# Altium PCB V1.1.PcbDoc
Units mil, origin at the board's own origin, x right, y up, seen from the top; angles counter-clockwise.
Board outline 1338.58 x 1820 mil, 4 copper layers (Top Layer, GND, PWR, Bottom Layer), stack 61.583 mil thick; 116 components, 73 nets, 458 pads, 96 vias.
Unrouted connection lines stored in the file: 87.
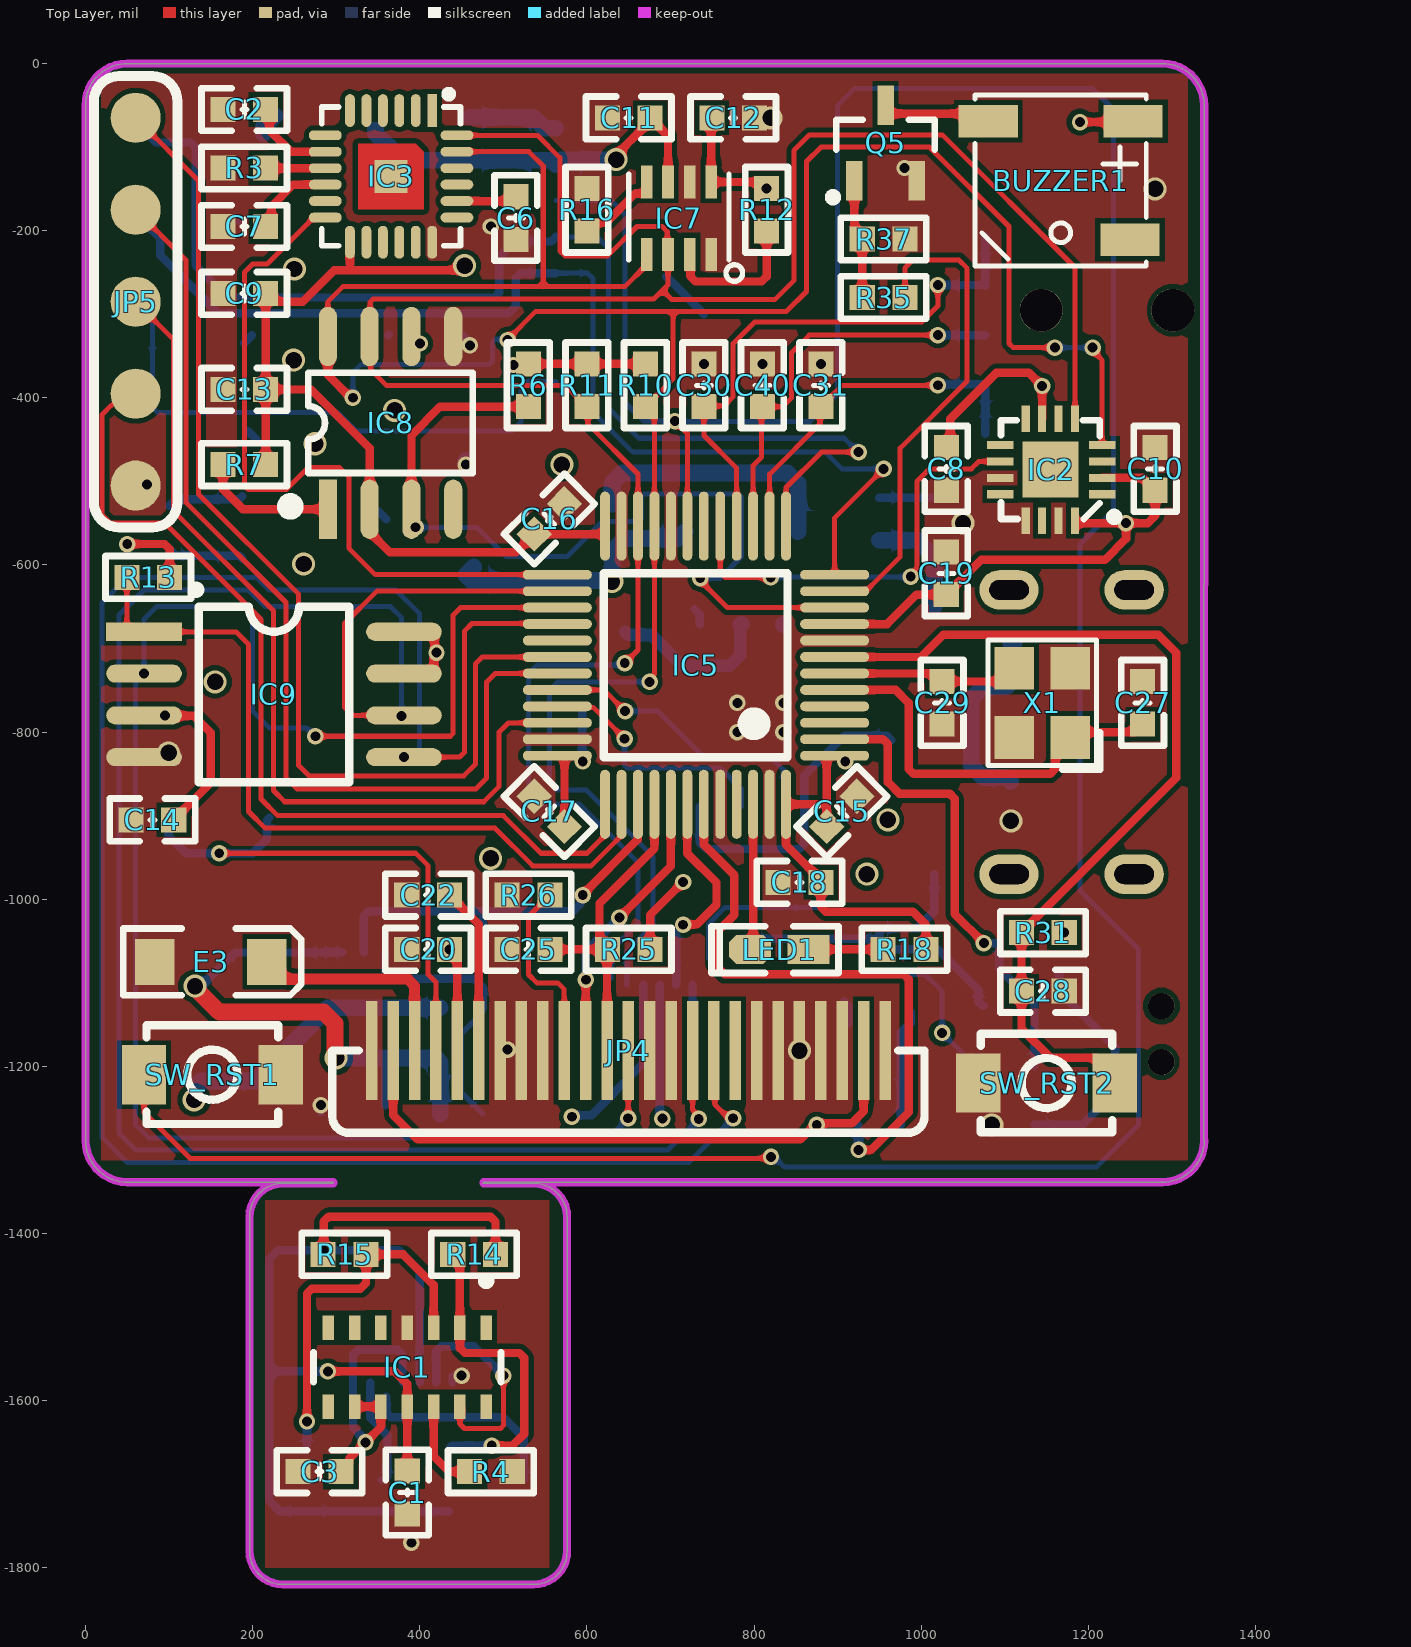
[diagram p0: Top Layer view]
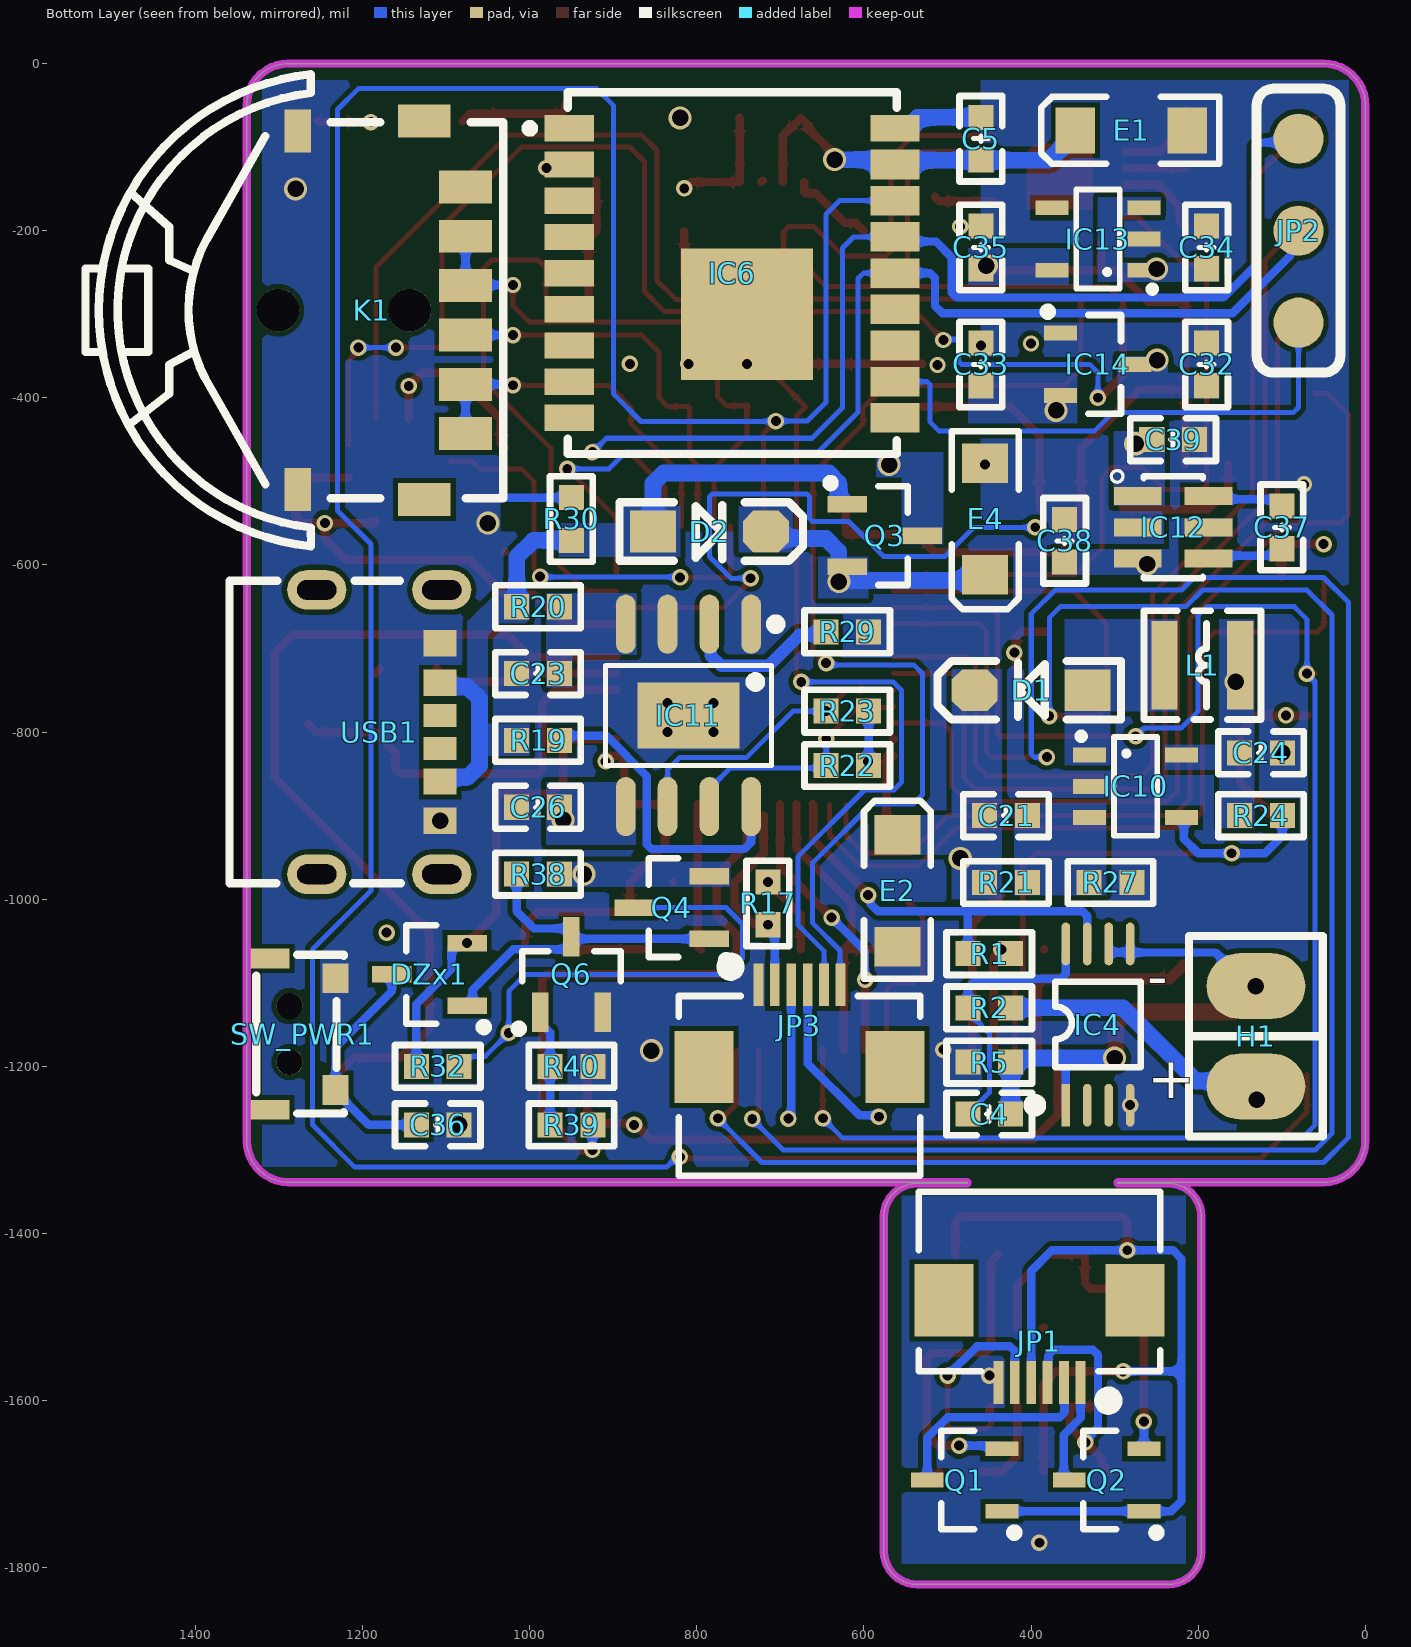
[diagram p1: Bottom Layer view, seen from below]
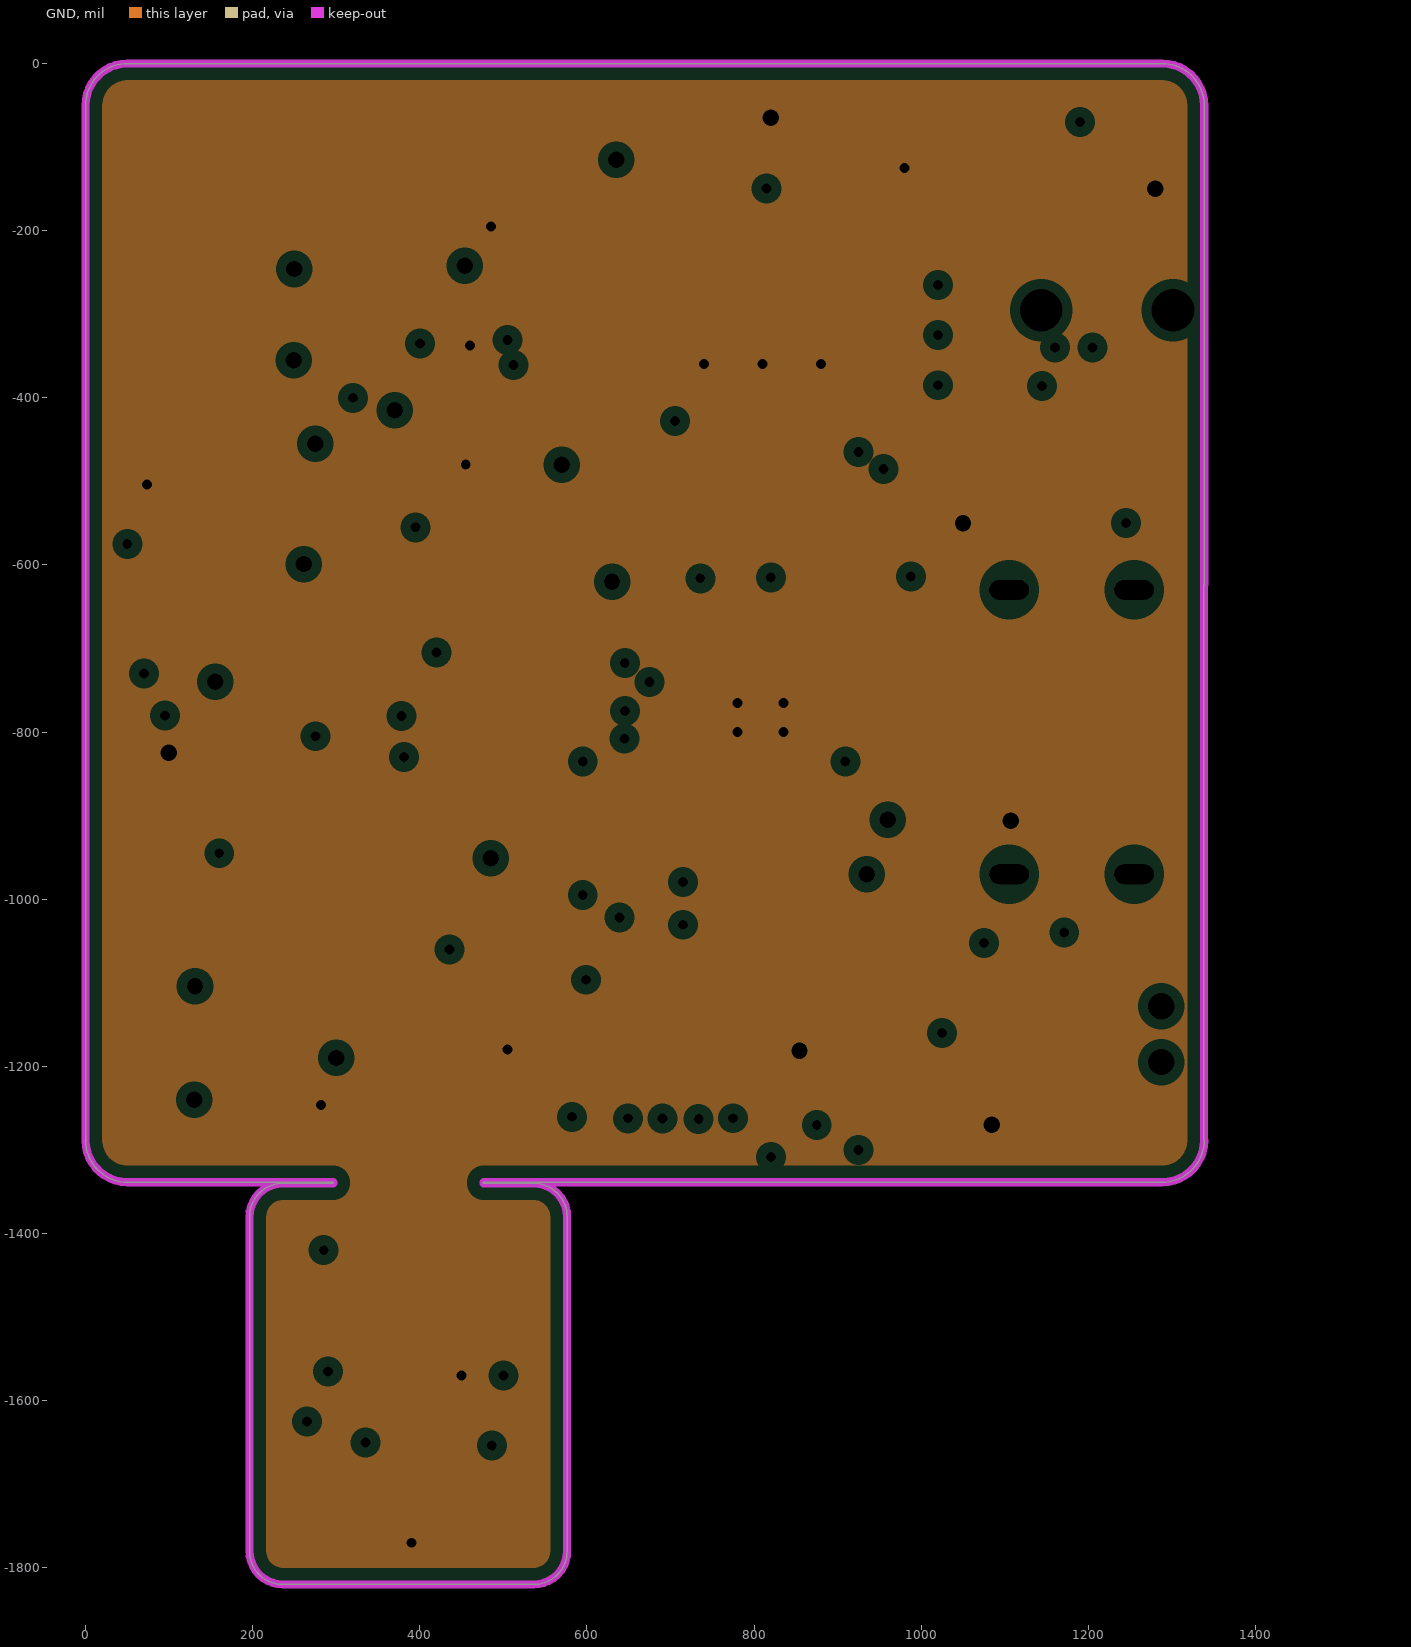
[diagram p2: GND, clearances drawn from the general rule]
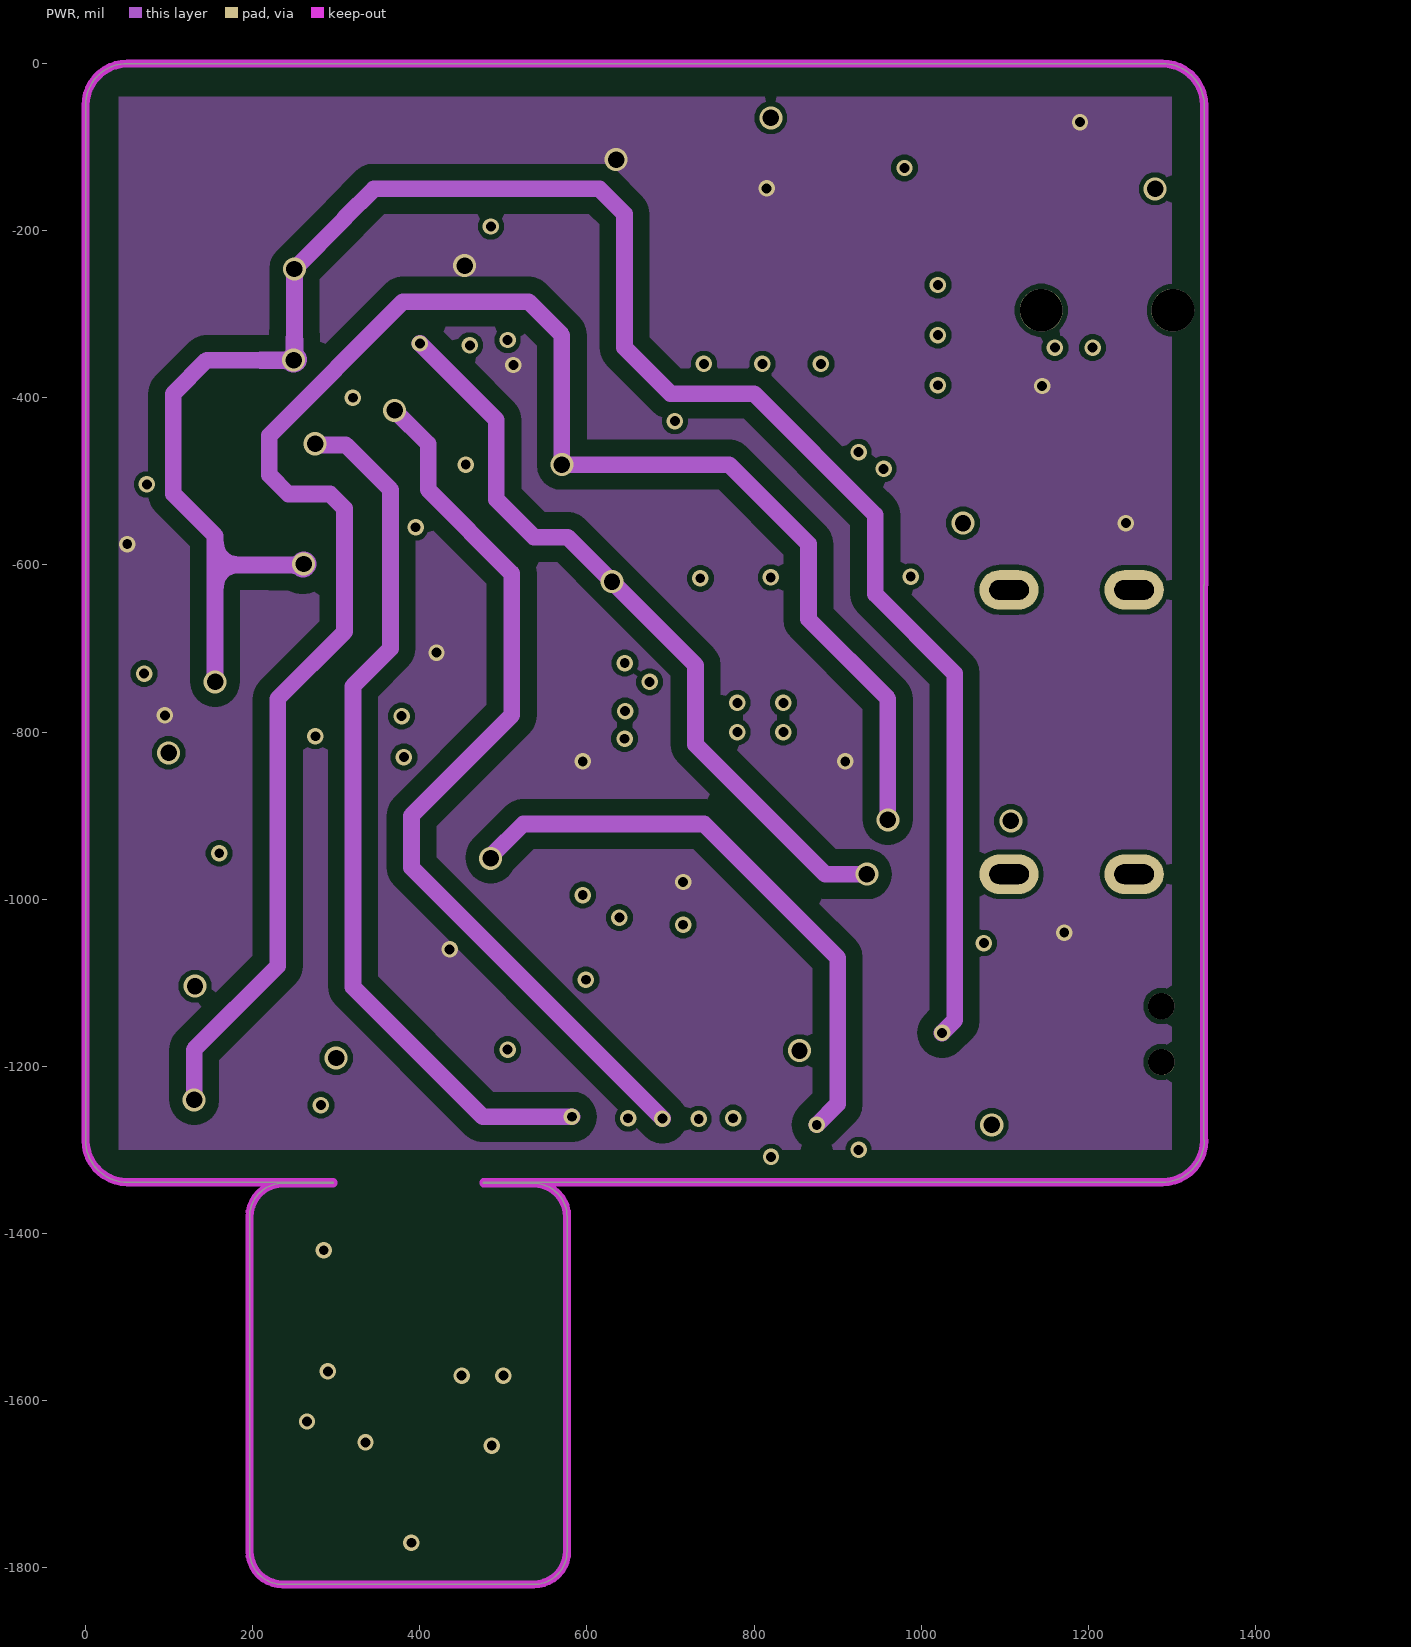
[diagram p3: PWR]
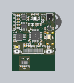
[diagram p4: 3D render of the assembled board from above, using the file's embedded part models]
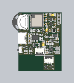
[diagram p5: 3D render of the assembled board from below, using the file's embedded part models]

## Layer stack, top to bottom
Top Solder: solder mask 0.3941, Solder Resist, Dk 3.3
Top Layer: signal copper 1.378
Dielectric 1: prepreg 3.9134, PP, Dk 4.5
GND: plane copper 0.5984, net GND
Dielectric 2: core 49.8031, core, Dk 4.5
PWR: signal copper 0.5984
Dielectric 3: prepreg 3.9134, PP, Dk 4.5
Bottom Layer: signal copper 1.378
Bottom Solder: solder mask 0.3941, Solder Resist, Dk 3.3

## Board outline
236.22,-1820 cw(c236.22,-1780) 196.22,-1780 196.22,-1380 cw(c236.22,-1380) 236.22,-1340 296.22,-1340 296.22,-1338.58 50,-1338.58 cw(c50,-1288.58) 0,-1288.58 0,-50 cw(c50,-50) 50,0 1288.58,0 cw(c1288.58,-50) 1338.58,-50 1338.58,-623.79 1338.35,-624 1338.35,-978.04 1338.39,-978.03 1338.39,-1288.39 1338.58,-1288.58 cw(c1288.58,-1288.58) 1288.58,-1338.58 476.22,-1338.58 476.22,-1340 536.22,-1340 cw(c536.22,-1380) 576.22,-1380 576.22,-1780 cw(c536.22,-1780) 536.22,-1820

## Design rules (kind name [scope] priority, off if disabled: settings)
Clearance 铺铜 [OnLayer('PWR') AND  InPoly vs OnLayer('PWR')] p1: gap=20 ignorepadtopadclearanceinfootprint=TRUE
Clearance [Not OnLayer('Keep-Out Layer') AND Not (InComponent('USB1') AND IsVia) vs Not OnLayer('Keep-Out Layer') AND Not (InComponent('USB1') AND IsVia)] p2: gap=6 ignorepadtopadclearanceinfootprint=TRUE
DiffPairsRouting DiffPair_USBC_DiffPairsRouting [InDifferentialPair ('USBC')] p1: maxlimit=7 minlimit=5 mostfreqgap=5 toplayer_minwidth=5 toplayer_maxwidth=7 toplayer_prefwidth=6 midlayer1_minwidth=5 midlayer1_maxwidth=7 midlayer1_prefwidth=6 bottomlayer_minwidth=5 bottomlayer_maxwidth=7 bottomlayer_prefwidth=6 maxuncoupledlength=500
HoleSize [All] p1: absolutevalues=TRUE maxlimit=248.03 minlimit=7.87 maxpercent=80.000 minpercent=20.000
MatchedLengths DiffPair_USBC_MatchedLengths [InDifferentialPair ('USBC')] p1: tolerance=5 checknetsindiffpair=FALSE checkdiffpairvsdiffpair=TRUE checkxsignals=TRUE checkothers=TRUE
MinimumSolderMaskSliver [NOT InComponent('IC8') AND NOT InComponent('K1') AND NOT InComponent('IC2') AND InDifferentialPairClass('All Differential Pairs') vs NOT InComponent('IC8') AND NOT InComponent('K1') AND NOT InComponent('IC2') AND InDifferentialPairClass('All Differential Pairs')] p1: minsoldermaskwidth=3.15
PlaneClearance [All] p1: clearance=12
PlaneConnect [All] p1: planeconnectstyle=Direct reliefexpansion=20 reliefentries=4 reliefconductorwidth=10 reliefairgap=10
PolygonConnect [All] p1: connectstyle=Direct reliefconductorwidth=10 reliefentries=4 polygonreliefangle="90 Angle" airgapwidth=10
RoutingVias [All] p1: holewidth=16 width=28 viastyle="Through Hole" minholewidth=12 minwidth=25 maxholewidth=24 maxwidth=40
SilkToSilkClearance [All] p1: silktosilkclearance=0
SilkToSolderMaskClearance [IsPad] p1: minsilkscreentomaskgap=0 clearancetoexposedcopper=TRUE
SolderMaskExpansion [IsVia] p1: expansion=4 istentingtop=TRUE
Width [All] p1: maxlimit=100 minlimit=3.5 preferedwidth=20
23 further rules are at their usual default settings.

## Components (designator, comment, footprint, x,y, rotation, side; value= is the part's Value field where it differs from the comment)
BUZZER1 "Beep-5020" 5020BUZZER 1165,-140 r90 top
C1 "4.7μF" "C 0603_L" 385,-1710 r270 top
C2 "10nF" "C 0603_L" 190,-55 r180 top
C3 "10μF" "C 0603_L" 280,-1685 r0 top
C4 "0.1μF" "C 0603_L" 450.11,-1257.03 r0 bottom
C5 "1μF" "C 0603_L" 460,-90 r90 bottom
C6 "2.2nF" "C 0603_L" 515,-185 r90 top
C7 "0.1μF" "C 0603_L" 190,-195 r180 top
C8 "0.1μF" "C 0603_L" 1030,-485 r90 top
C9 "0.1μF" "C 0603_L" 190,-275 r0 top
C10 "0.1μF" "C 0603_L" 1280,-485 r270 top
C11 "0.1μF" "C 0603_L" 650,-65 r180 top
C12 "0.1μF" "C 0603_L" 775,-65 r0 top
C13 "0.1μF" "C 0603_L" 190,-390 r180 top
C14 "0.1μF" "C 0603_L" 80,-905 r0 top
C15 "4.7μF" "C 0603_L" 905,-895 r225 top
C16 "0.1μF" "C 0603_L" 555,-545 r225 top
C17 "0.1μF" "C 0603_L" 555,-895 r315 top
C18 "0.1μF" "C 0603_L" 854.34,-979.82 r0 top
C19 "0.1μF" "C 0603_L" 1030,-610 r270 top
C20 "1μF" "C 0603_L" 410,-1060 r0 top
C21 "4.7pF" "C 0603_L" 430,-900 r0 bottom
C22 "1μF" "C 0603_L" 410,-995 r0 top
C23 "10μF" "C 0603_L" 990,-730 r180 bottom
C24 "4.7μF" "C 0603_L" 125,-825 r0 bottom
C25 "0.1μF" "C 0603_L" 530,-1060 r0 top
C26 "10μF" "C 0603_L" 990,-890 r0 bottom
C27 "22pF" "C 0603_L" 1265,-765 r90 top
C28 "0.1μF" "C 0603_L" 1145.59,-1110 r180 top
C29 "22pF" "C 0603_L" 1025,-765 r270 top
C30 "0.1μF" "C 0603_L" 740,-385 r90 top
C31 "0.1μF" "C 0603_L" 880,-385 r90 top
C32 "1μF" "C 0603_L" 190,-360 r90 bottom
C33 "1μF" "C 0603_L" 460,-360 r90 bottom
C34 "1μF" "C 0603_L" 190,-220 r90 bottom
C35 "1μF" "C 0603_L" 460,-220 r90 bottom
C36 "0.1μF" "C 0603_L" 1110,-1270 r0 bottom
C37 "2.2μF" "C 0603_L" 100,-555 r270 bottom
C38 "10μF" "C 0603_L" 359.99,-571.11 r270 bottom
C39 "10μF" "C 0603_L" 230,-450 r180 bottom
C40 "0.1μF" "C 0603_L" 810,-385 r90 top
D1 "1N4148" SOD-123 400,-750 r0 bottom
D2 "B5819W" SOD-123 785,-560 r180 bottom
DZx1 "BAT54C" SOT23-3N 1120,-1090 r90 bottom
E1 "10uF/6.3V" "CD A(3216)" 280,-80 r180 bottom
E2 "4.7uF/35V" "CD A(3216)" 560,-990 r270 bottom
E3 "4.7uF/35V" "CD A(3216)" 150,-1075 r180 top
E4 "100uF/6.3V" "CD A(3216)" 455,-545 r90 bottom
H1 "PAD2" CHARGE_PAD 131,-1154 r180 top
IC1 "MAX30102EFD+" FP-F143A5-1-MFG 385,-1560 r270 top
IC2 "AK8975" QFN16 1154.53,-486.01 r180 top
IC3 "MPU6050" "QFN24 4x4_M" 365.63,-135.08 r180 top
IC4 "DS2740" MSOP8_L 320,-1150 r180 bottom
IC5 "STM32F103CBT6" "LQFP48 7X7_M" 730,-720 r90 top
IC6 "ESP01F" ESP-01F 757.72,-250.79 r180 bottom
IC7 "BME280" BME280 710,-185 r270 top
IC8 "DS3231-8PIN" SOP8_N 365,-430 r90 top
IC9 "W25Q64" SOP8W_N 225.51,-755 r0 top
IC10 "TPS61040DBV" SOT23-5L 275,-865 r270 bottom
IC11 "PW4056H" SOP-8_L4.9-W3.9-P1.27-LS6.0-BL-EP3.1 810,-780 r0 bottom
IC12 "PW5410A" SOT23-6 230,-555 r90 bottom
IC13 "RT9013" SOT23-5L 320,-210 r90 bottom
IC14 "PW6566" SOT23-3L 320,-360 r270 bottom
JP1 "FPC1.0-6P" "FPC0.5 2H-WS-6P" 390,-1480 r0 bottom locked
JP2 "HDR-1X3" TEST_POINT_3 80,-200 r270 top
JP3 "FPC1.0-6P" "FPC0.5 2H-WS-6P" 677.17,-1200.79 r180 bottom locked
JP4 "25pin焊接式FPC" 25pin焊接式FPC 649.61,-1181.1 r0 top locked
JP5 "HDR-1X5" TEST_POINT_5 60,-285 r90 top
K1 "拨轮开关" 拨轮开关 1188.98,-295.28 r0 bottom locked
L1 "6.8uH" NR3015 195,-720 r0 bottom
LED1 "绿色" "LED 0603G" 830,-1060 r180 top
Q1 "2SK3018" SOT23-3L 480,-1695 r90 bottom
Q2 "2SK3018" SOT23-3L 310,-1695 r90 bottom
Q3 "AO3401" SOT23-3N 575,-565 r270 bottom
Q4 "AO3401" SOT23-3N 830,-1010 r90 bottom
Q5 "SS8050" SOT23-3N 957.4,-95 r0 top
Q6 "SS8050" SOT23-3N 950,-1090 r180 bottom
R1 "4.7K" "R 0603_L" 450,-1065 r180 bottom
R2 "150" "R 0603_L" 450,-1130 r180 bottom
R3 "10K" "R 0603_L" 190,-125 r180 top
R4 "0" "R 0603_L" 485,-1685 r180 top
R5 "10mΩ" "R 0603_L" 450,-1195 r0 bottom
R6 "4.7K" "R 0603_L" 530,-385 r270 top
R7 "4.7K" "R 0603_L" 190,-480 r180 top
R10 "4.7K" "R 0603_L" 670,-385 r270 top
R11 "4.7K" "R 0603_L" 600,-385 r270 top
R12 "10K" "R 0603_L" 815,-175 r90 top
R13 "4.7K" "R 0603_L" 75,-615 r0 top
R14 "4.7K" "R 0603_L" 465,-1425 r180 top
R15 "4.7K" "R 0603_L" 310,-1425 r0 top
R16 "10K" "R 0603_L" 600,-175 r270 top
R17 "4.7K" "R 0603_L" 715,-1005 r90 bottom
R18 "1K" "R 0603_L" 980,-1060 r0 top
R19 "100K" "R 0603_L" 990,-810 r0 bottom
R20 "2" "R 0603_L" 990,-650 r0 bottom
R21 "2.3M" "R 0603_L" 430,-980 r0 bottom
R22 "4.7K" "R 0603_L" 620,-840 r180 bottom
R23 "4.7K" "R 0603_L" 620,-775 r180 bottom
R24 "10K" "R 0603_L" 125,-900 r0 bottom
R25 "10K" "R 0603_L" 650,-1060 r180 top
R26 "1.2M" "R 0603_L" 530,-995 r0 top
R27 "205K" "R 0603_L" 305,-980 r0 bottom
R29 "2.8K" "R 0603_L" 620,-680 r0 bottom
R30 "1M" "R 0603_L" 950,-545 r90 bottom
R31 "10K" "R 0603_L" 1145.59,-1040 r0 top
R32 "22K" "R 0603_L" 1110,-1200 r0 bottom
R35 "2.2K" "R 0603_L" 955,-280 r180 top
R37 "240K" "R 0603_L" 955,-210 r180 top
R38 "240K" "R 0603_L" 990,-970 r0 bottom
R39 "2.2K" "R 0603_L" 950,-1270 r180 bottom
R40 "240K" "R 0603_L" 950,-1200 r0 bottom
SW_PWR1 "3" KEY-SMD_UK-B0264-SP25Y 1271.65,-1161.42 r90 bottom locked
SW_RST1 "3x4x2" SW-SMD_L4.0-W3.0-LS4.6 151.69,-1210 r0 top
SW_RST2 "3x4x2" SW-SMD_L4.0-W3.0-LS4.6 1150,-1220 r180 top
USB1 "918-418K2023S40006" USB-C-SMD_918-418K2023S40006 1180,-800 r270 bottom locked
X1 "8M" "OSC 3225-4P" 1145,-765 r90 top

## Footprints (in the part's own frame and the unit in brackets; to place one, negate y for a bottom-side part, rotate by r counter-clockwise, add the part's x,y. Pads: shape width x height; smd on the part's side, far side on the other; paste and mask are expansions set on the pad)
25pin焊接式FPC [mm]
  rect 0.35x3 smd: 1(-7.8,0) 2(-7.15,0) 3(-6.5,0) 4(-5.85,0) 5(-5.2,0) 6(-4.55,0) 7(-3.9,0) 8(-3.25,0) 9(-2.6,0) 10(-1.95,0) 11(-1.3,0) 12(-0.65,0) 13(0,0) 14(0.65,0) 15(1.3,0) 16(1.95,0) 17(2.6,0) 18(3.25,0) 19(3.9,0) 20(4.55,0) 21(5.2,0) 22(5.85,0) 23(6.5,0) 24(7.15,0) 25(7.8,0)
  silkscreen extent -9,-2.5 9,0
5020BUZZER [mm]
  rect 1x1.8 smd: 1(1.8,-2.25) 2(1.8,2.152) 3(-1.801,-2.151)
  silkscreen extent -2.6,-2.65 2.6,2.55, body extent -2.6,-2.7 2.6,2.5, height 2
BME280 [mm]
  rect 1x0.351 smd: 1(1.1,0.98) 2(1.1,0.33) 3(1.1,-0.33) 4(1.1,-0.98) 5(-1.1,-0.98) 6(-1.1,-0.33) 7(-1.1,0.33) 8(-1.1,0.98)
  silkscreen extent -1.33,-1.52 1.92,1.94, body extent -1.29,-1.27 1.21,1.23, height 0.93
"C 0603_L" [mil] "无极性贴片电容"
  rect 30x30 smd: 1(-25.59,0) 2(25.59,0)
  silkscreen extent -51,-26 51,26, body extent -31,-16 31,16, height 32
"CD A(3216)" [mm] "长3.2mm，宽1.6mm，厚1.6mm"
  rect 1.2x1.4 smd: 1(-1.7,0) 2(1.7,0)
  silkscreen extent -2.74,-1.02 2.67,1.02, body extent -1.6,-0.8 1.6,0.8, height 1.6
CHARGE_PAD [mm]
  oval 3x2 smd far side: +(0,1.778) -(0,-1.27)
ESP-01F [mm]
  rect 1.5x0.8 smd mask+0.051: 1(-4.95,4.4) 2(-4.95,3.3) 3(-4.95,2.2) 4(-4.95,1.1) 5(-4.95,0) 6(-4.95,-1.1) 7(-4.95,-2.2) 8(-4.95,-3.3) 9(-4.95,-4.4) 18(4.95,4.4)
  rect 1.5x0.9 smd mask+0.051: 10(4.95,-4.4) 11(4.95,-3.3) 12(4.95,-2.2) 13(4.95,-1.1) 14(4.95,0) 15(4.95,1.1) 16(4.95,2.2) 17(4.95,3.3)
  rect 4x4 smd mask+0.051: 19(0.45,-1.25)
  silkscreen extent -6.28,-5.5 5,5.5, body extent -5.11,-5.56 4.89,5.44, height 2.81
FP-F143A5-1-MFG [mm]
  rect 0.75x0.35 smd paste+0 mask+0: 1(-1.2,2.4) 2(-1.2,1.6) 3(-1.2,0.8) 4(-1.2,0) 5(-1.2,-0.8) 6(-1.2,-1.6) 7(-1.2,-2.4) 8(1.2,-2.4) 9(1.2,-1.6) 10(1.2,-0.8) 11(1.2,0) 12(1.2,0.8) 13(1.2,1.6) 14(1.2,2.4)
  silkscreen extent -2.75,-2.85 0.45,2.85, body extent -1.65,-2.8 1.65,2.8, height 1.65
"FPC0.5 2H-WS-6P" [mm] "长：7.2mm，宽：5.2mm，高：2mm"
  rect 1.8x2.2 smd: 0(-2.9,0) 0(2.9,0)
  rect 0.3x1.3 smd: 1(-1.25,2.497) 2(-0.75,2.497) 3(-0.25,2.497) 4(0.25,2.497) 5(0.75,2.497) 6(1.25,2.497)
  silkscreen extent -3.67,-3.3 3.68,3.23, body extent -3.6,-3.15 3.6,2.85, height 2
KEY-SMD_UK-B0264-SP25Y [mm]
  rect 0.9x0.8 smd mask+0.051: 1(-1.7,-1) 2(1.7,-1)
  rect 0.6x1.2 smd mask+0.051: 3(-2.3,1) 4(2.3,1)
  round 0.8 hole 0.8: ""(-0.85,0.4) ""(0.85,0.4)
  silkscreen extent -2.41,-1.25 2.41,1.42, body extent -2.3,-1.02 2.3,2.58, height 1.82
"LED 0603G" [mil] "绿色0603LED"
  rect 50x35 smd: 1(-35,0.26)
  oct 50x35 smd: 2(35,0.26)
  silkscreen extent -71,-28 81,28, body extent -31,-16 32,16, height 18
"LQFP48 7X7_M" [mm] "48脚，体宽7x7mm，脚距0.5mm"
  oval 0.3x2.1 smd: 1(-2.75,-4.227) 2(-2.25,-4.227) 3(-1.75,-4.227) 4(-1.25,-4.227) 5(-0.75,-4.227) 6(-0.25,-4.227) 7(0.25,-4.227) 8(0.75,-4.227) 9(1.25,-4.227) 10(1.75,-4.227) 11(2.25,-4.227) 12(2.75,-4.227) 25(2.75,4.202) 26(2.25,4.202) 27(1.75,4.202) 28(1.25,4.202) 29(0.75,4.202) 30(0.25,4.202) 31(-0.25,4.202) 32(-0.75,4.202) 33(-1.25,4.202) 34(-1.75,4.202) 35(-2.25,4.202) 36(-2.75,4.202)
  oval 2.1x0.3 smd: 13(4.227,-2.75) 14(4.227,-2.25) 15(4.227,-1.75) 16(4.227,-1.25) 17(4.227,-0.75) 18(4.227,-0.25) 19(4.227,0.25) 20(4.227,0.75) 21(4.227,1.25) 22(4.227,1.75) 23(4.227,2.25) 24(4.227,2.75) 37(-4.227,2.75) 38(-4.227,2.25) 39(-4.227,1.75) 40(-4.227,1.25) 41(-4.227,0.75) 42(-4.227,0.25) 43(-4.227,-0.25) 44(-4.227,-0.75) 45(-4.227,-1.25) 46(-4.227,-1.75) 47(-4.227,-2.25) 48(-4.227,-2.75)
  silkscreen extent -2.79,-2.79 2.79,2.79, body extent -4.5,-4.5 4.5,4.5, height 1.45
MSOP8_L [mm] "塑封体长3mm，宽3mm，脚距0.65"
  rect 0.26x1.3 smd: 1(-0.975,-2.45)
  oval 0.26x1.3 smd: 2(-0.325,-2.45) 3(0.325,-2.45) 4(0.975,-2.45) 5(0.975,2.45) 6(0.325,2.45) 7(-0.325,2.45) 8(-0.975,2.45)
  silkscreen extent -2.07,-2.6 1.3,1.3, body extent -1.5,-2.45 1.5,2.45, height 0.95
NR3015 [mm] "3.0mm*3.0mm*1.5mm(长*宽*高）"
  rect 0.8x2.7 smd: 1(-1.15,0) 2(1.15,0)
  silkscreen extent -1.78,-1.65 1.78,1.65, body extent -1.5,-1.5 1.5,1.5, height 1.6
"OSC 3225-4P" [mm] "3.2*2.5*0.7mm(长宽高)"
  rect 1.3x1.2 smd: 1(-1.05,-0.85) 2(1.05,-0.85) 3(1.05,0.85) 4(-1.05,0.85)
  silkscreen extent -2.03,-1.75 1.91,1.65, body extent -1.6,-1.25 1.6,1.25, height 0.7
QFN16 [mm] "3mm*3mm（蒜米工坊）"
  rect 0.8x0.25 smd: 1(-1.575,0.75) 2(-1.575,0.25) 3(-1.575,-0.25) 4(-1.575,-0.75) 9(1.524,-0.75) 10(1.524,-0.25) 11(1.524,0.25) 12(1.524,0.75)
  rect 0.25x0.8 smd: 5(-0.75,-1.55) 6(-0.25,-1.55) 7(0.25,-1.55) 8(0.75,-1.55) 13(0.75,1.55) 14(0.25,1.55) 15(-0.25,1.55) 16(-0.75,1.55)
  rect 1.7x1.7 smd: 17(0,0)
  silkscreen extent -2.07,-1.5 1.5,1.56, body extent -1.55,-1.52 1.49,1.52, height 0.9
"QFN24 4x4_M" [mm] "24脚，长x宽x高：4x4x1mm，脚距：0.5mm"
  rect 0.3x1 smd: 1(-1.25,-2)
  oval 0.3x1 smd: 2(-0.75,-2) 3(-0.25,-2) 4(0.25,-2) 5(0.75,-2) 6(1.25,-2) 13(1.25,2) 14(0.75,2) 15(0.25,2) 16(-0.25,2) 17(-0.75,2) 18(-1.25,2)
  oval 1x0.3 smd: 7(2,-1.25) 8(2,-0.75) 9(2,-0.25) 10(2,0.25) 11(2,0.75) 12(2,1.25) 19(-2,1.25) 20(-2,0.75) 21(-2,0.25) 22(-2,-0.25) 23(-2,-0.75) 24(-2,-1.25)